# Allegro board BRD_05101_01_rev_b01_aa.brd (continued)
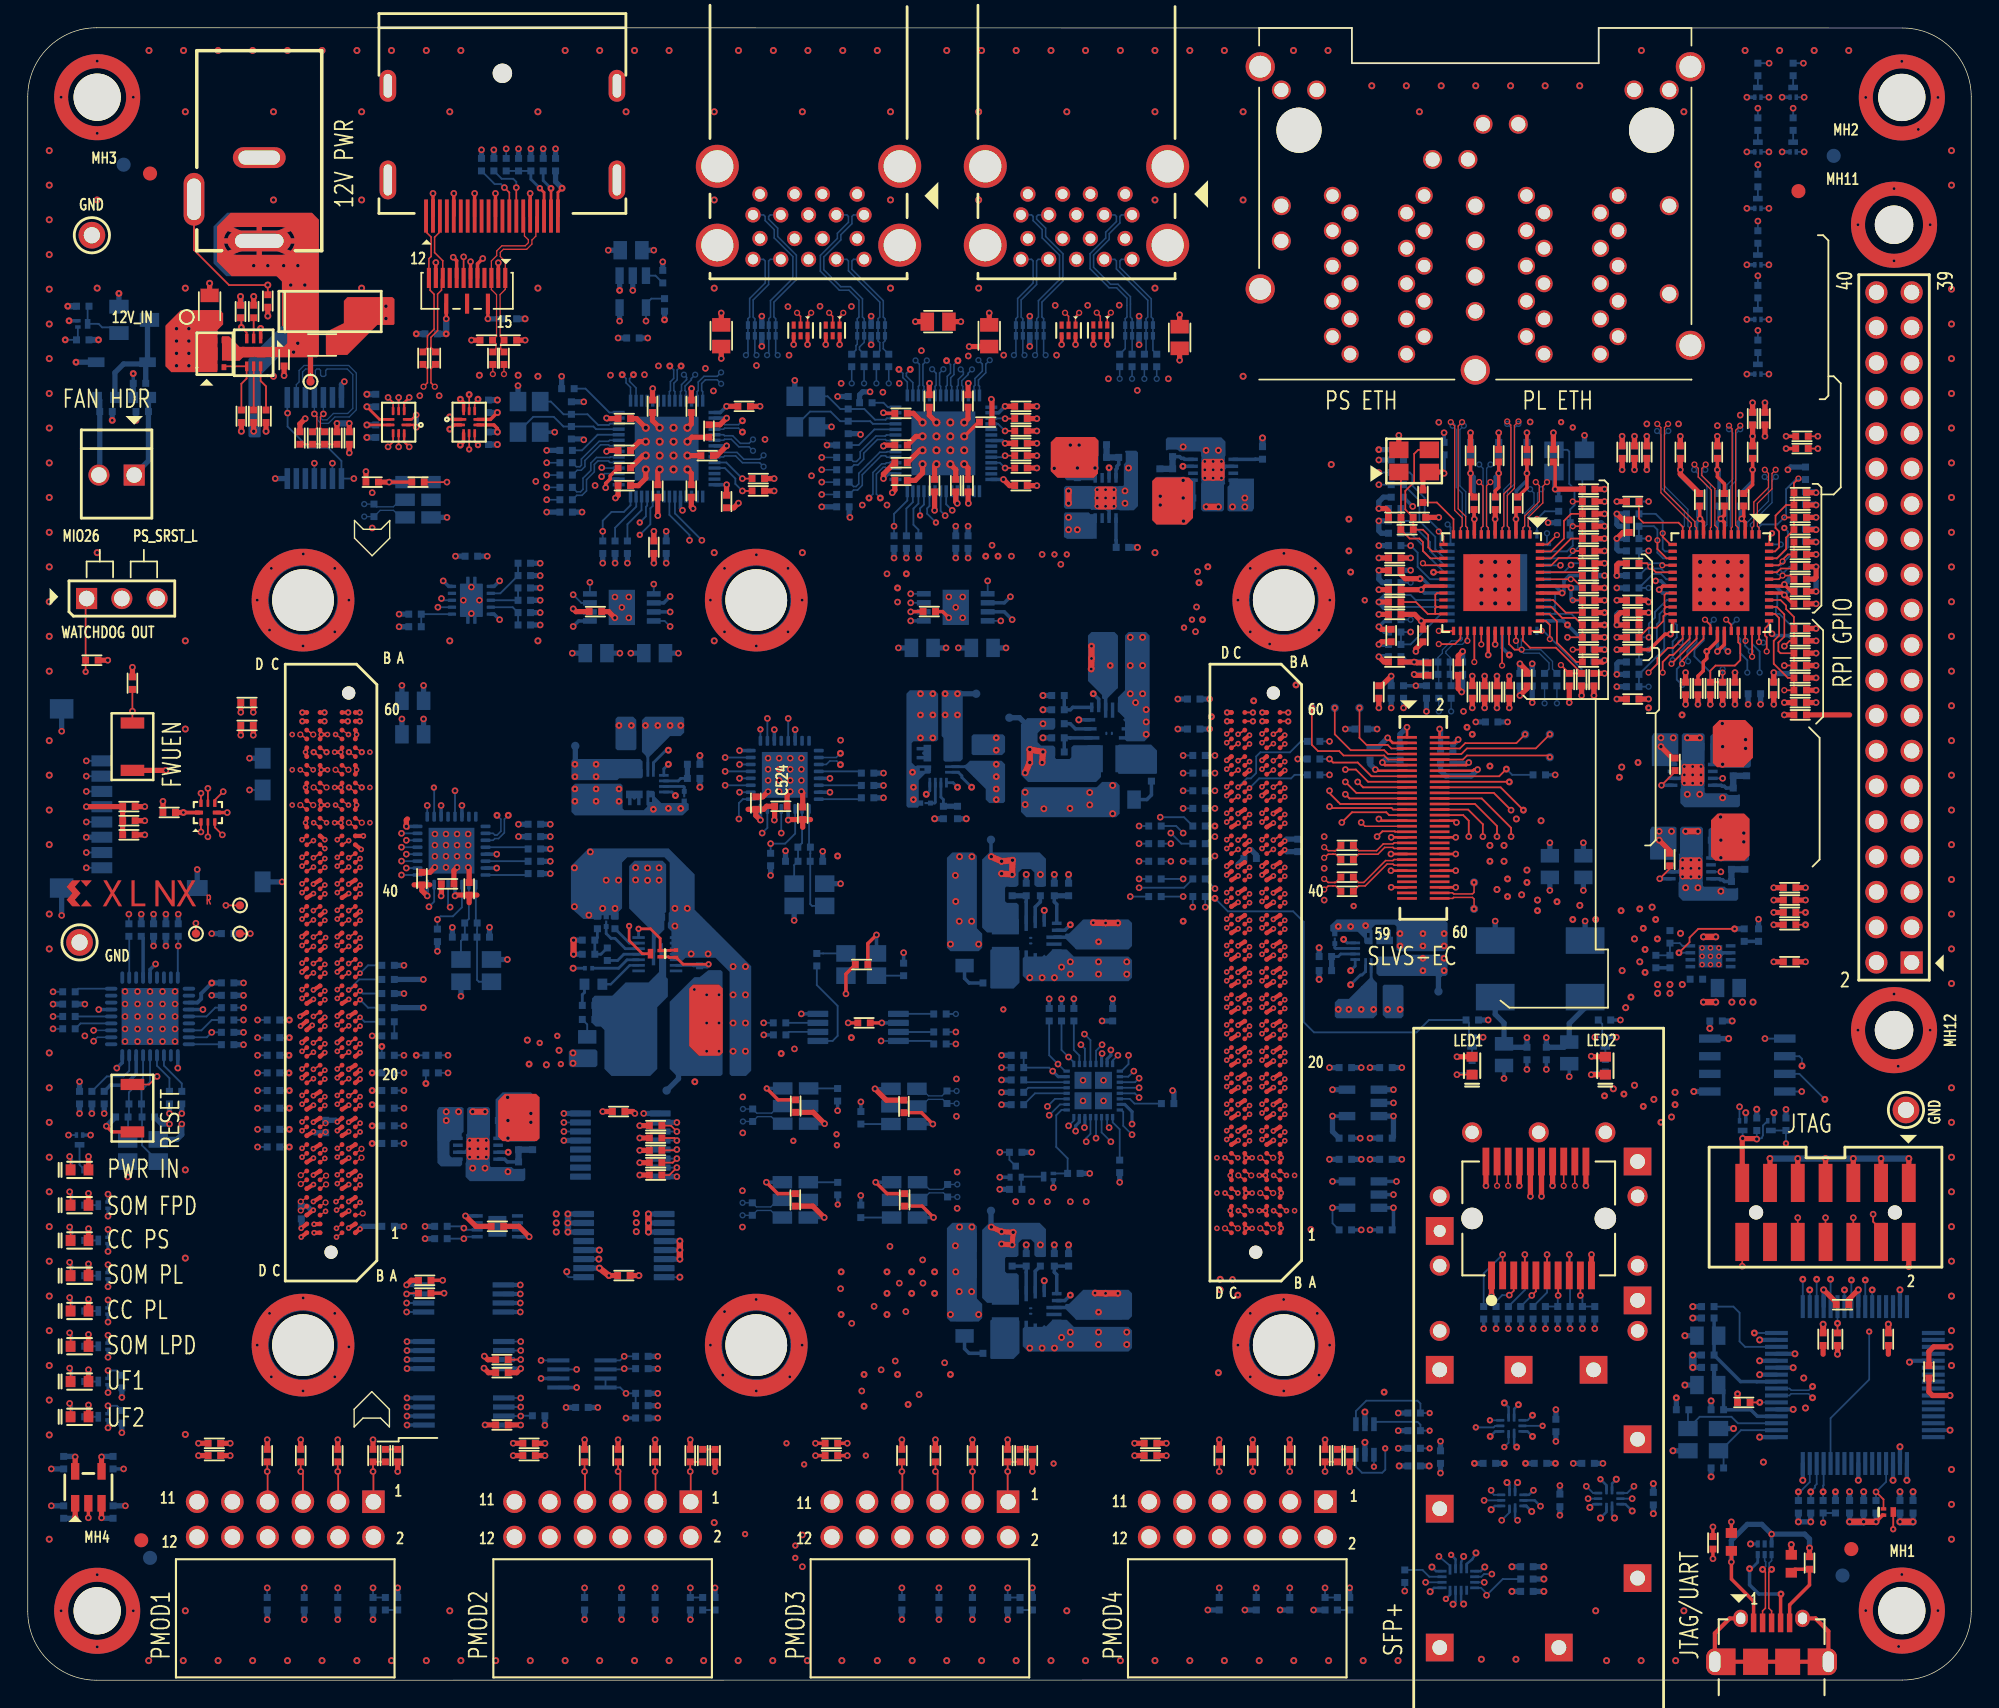
[diagram p0: board, top side]
## Nets (continued)
HDA09: JA1.A15 R305.1
HDA10: J23.8 JA1.A16 R338.1
HDA11: JA1.A17 R276.1
HDA12: JA1.D20 R278.1
HDA13: JA1.D21 R280.1
HDA14: JA1.D22 R282.1
HDA15: JA1.B20 R277.1
HDA16_CC: JA1.B21 R279.1
HDA17: JA1.B22 R281.1
HDA18: JA1.C22 R283.1
HDA19: J23.2 JA1.C23 R336.1
HDA20: JA1.C24 Q20.1 R261.1
HDB00_CC: JA2.D44 R308.1
HDB01: JA2.D45 R310.1
HDB02: JA2.D46 R312.1
HDB03: JA2.D48 R314.1
HDB04: JA2.D49 R309.1
HDB05: JA2.D50 R311.1
HDB06: JA2.C46 R313.1
HDB07: JA2.C47 R315.1
HDB08_CC: JA2.C48 R318.1
HDB09: JA2.C50 R320.1
HDB10: JA2.C51 R322.1
HDB11: JA2.C52 R324.1
HDB12: JA2.B44 R319.1
HDB13: JA2.B45 R321.1
HDB14: JA2.B46 R323.1
HDB15: JA2.B48 R325.1
HDB16_CC: J23.5 JA2.B49 R335.1
HDB17: J23.4 JA2.B50 R334.1
HDB18: J23.6 JA2.A46 R339.1
HDB19: J23.3 JA2.A47 R337.1
HDB20: J21.18 JA2.A48
HDB21: J21.22 JA2.A50
HDB22: J21.37 JA2.A51
HDB23: J21.13 JA2.A52
HDC00_CC: J21.27 JA2.D52 R330.1
HDC01: J21.28 JA2.D53 R331.1
HDC02: J21.3 JA2.D54 R326.1
HDC03: J21.5 JA2.D56 R327.1
HDC04: J21.7 JA2.D57
HDC05: J21.29 JA2.D58
HDC06: J21.31 JA2.C54
HDC07: J21.26 JA2.C55
HDC08_CC: J21.24 JA2.C56
HDC09: J21.21 JA2.C58
HDC10: J21.19 JA2.C59
HDC11: J21.23 JA2.C60
HDC12: J21.32 JA2.B52
HDC13: J21.33 JA2.B53
HDC14: J21.8 JA2.B54
HDC15: J21.10 JA2.B56
HDC16_CC: J21.36 JA2.B57
HDC17: J21.11 JA2.B58
HDC18: J21.12 JA2.A54
HDC19: J21.35 JA2.A55
HDC20: J21.38 JA2.A56
HDC21: J21.40 JA2.A58
HDC22: J21.15 JA2.A59
HDC23: J21.16 JA2.A60
HPA00_CC_P_NC: JA1.C3
HPA00_CCN: JA1.C4 U79.37
HPA01N: JA1.D8 U79.27
HPA01P: JA1.D7 U79.28
HPA02N: JA1.D5 U79.25
HPA02P: JA1.D4 U79.26
HPA03N: JA1.C7 R353.2 U79.17
HPA03P: JA1.C6 U79.16
HPA04N: JA1.B5 Q27.1 R358.2 R367.1 U79.46
HPA04P: JA1.B4 Q28.1 R359.2 R368.1 U79.47
HPA05_CCN: JA1.B2 U19.2
HPA05_CCP: JA1.B1 R357.2 R366.1 U79.45
HPA06N: JA1.A4 R362.2 R372.1 U79.33
HPA06P_CLK: JA1.A3 U79.29
HPA07N: JA1.B8 U79.35
HPA07P: JA1.B7 U79.34
HPA08N: JA1.C10 R360.2 R369.1 U79.38
HPA08P: JA1.C9 U79.36
HPA09_N_NC: JA1.D11
HPA09P_CLK: JA1.D10 U79.32
HPA10_CC_N_NC: JA1.C13
HPA10_CC_P_NC: JA1.C12
HPA11_N_NC: JA1.B11
HPA11_P_NC: JA1.B10
HPA12_N_NC: JA1.A10
HPA12_P_NC: JA1.A9
HPA13N: JA1.A13 Q26.1 R476.1
HPA13P: JA1.A12 Q25.1 R475.1
HPA14N: JA1.D14 Q23.1 R474.1
HPA14P: JA1.D13 Q22.1 R473.1
HPA_CLK0_N_NC: JA1.A7
HPA_CLK0P_CLK: JA1.A6 R477.2
HPA_CLK0P_CLK_R: R477.1 U91.3
HPB00_CC_P_NC: JA2.D15
HPB00_CCN: JA2.D16 U80.37
HPB01N: JA2.D13 U80.27
HPB01P: JA2.D12 U80.28
HPB02N: JA2.C18 U80.25
HPB02P: JA2.C17 U80.26
HPB03N: JA2.B25 R378.2 U80.17
HPB03P: JA2.B24 U80.16
HPB04N: JA2.D22 Q29.1 R383.2 R392.1 U80.46
HPB04P: JA2.D21 Q30.1 R384.2 R393.1 U80.47
HPB05_CCN: JA2.B19 U19.3
HPB05_CCP: JA2.B18 R382.2 R391.1 U80.45
HPB06N: JA2.A21 R387.2 R396.1 U80.33
HPB06P_CLK: JA2.A20 U80.29
HPB07N: JA2.B16 U80.35
HPB07P: JA2.B15 U80.34
HPB08N: JA2.A15 R385.2 R394.1 U80.38
HPB08P: JA2.A14 U80.36
HPB09_N_NC: JA2.C12
HPB09P_CLK: JA2.C11 U80.32
HPB10_CC_N_NC: JA2.B13
HPB10_CCP_CLK: J22.35 JA2.B12
HPB11N: J22.30 JA2.B22
HPB11P: J22.22 JA2.B21
HPB12N: J22.26 JA2.A18
HPB12P: J22.28 JA2.A17
HPB13N: J22.24 JA2.C21
HPB13P: J22.20 JA2.C20
HPB14N: J22.15 JA2.C15 R442.1
HPB14P: JA2.C14 U19.27
HPB15_CC_N_NC: JA2.A12
HPB15_CCP_CLK: J22.16 JA2.A11 R443.1
HPB16N: J22.23 JA2.A24
HPB16P: J22.21 JA2.A23
HPB17N: J22.19 JA2.D25
HPB17P: J22.29 JA2.D24
HPB18N: J22.17 JA2.C24
HPB18P: J22.27 JA2.C23
HPB19N: J22.18 JA2.A27
HPB19P: J22.25 JA2.A26
HPB_CLK0_N_NC: JA2.D19
HPB_CLK0P_CLK: JA2.D18 R479.2
HPB_CLK0P_CLK_R: R479.1 U91.5
HPC00_CC_N_NC: JA2.D34
HPC00_CC_P_NC: JA2.D33
HPC01_N_NC: JA2.D31
HPC01_P_NC: JA2.D30
HPC02_N_NC: JA2.D37
HPC02_P_NC: JA2.D36
HPC03_N_NC: JA2.A42
HPC03_P_NC: JA2.A41
HPC04_N_NC: JA2.D40
HPC04_P_NC: JA2.D39
HPC05_CC_N_NC: JA2.C39
HPC05_CC_P_NC: JA2.C38
HPC06_N_NC: JA2.B28
HPC06_P_NC: JA2.B27
HPC07_N_NC: JA2.B37
HPC07_P_NC: JA2.B36
HPC08_N_NC: JA2.A30
HPC08_P_NC: JA2.A29
HPC09_N_NC: JA2.D28
HPC09_P_NC: JA2.D27
HPC10_CC_N_NC: JA2.C30
HPC10_CC_P_NC: JA2.C29
HPC11_N_NC: JA2.C33
HPC11_P_NC: JA2.C32
HPC12_N_NC: JA2.C36
HPC12_P_NC: JA2.C35
HPC13_N_NC: JA2.B31
HPC13_P_NC: JA2.B30
HPC14_N_NC: JA2.A36
HPC14_P_NC: JA2.A35
HPC15_CC_N_NC: JA2.A39
HPC15_CC_P_NC: JA2.A38
HPC16_N_NC: JA2.B34
HPC16_P_NC: JA2.B33
HPC17_N_NC: JA2.C27
HPC17_P_NC: JA2.C26
HPC18_N_NC: JA2.B40
HPC18_P_NC: JA2.B39
HPC19_N_NC: JA2.A33
HPC19_P_NC: JA2.A32
HPC_CLK0_N_NC: JA2.C42
HPC_CLK0_P_NC: JA2.C41
I2C_SCK_LS: R55.2 U14.9 U15.6 U16.6 U18.14 U19.8
I2C_SDA_LS: R56.2 U14.8 U15.5 U16.5 U18.15 U19.7
JTAG_TCK_C2M: J3.6 JA1.A25 R66.2 R264.1
JTAG_TDI_C2M: J3.10 JA1.A24 U22.14
JTAG_TDO_M2C: J3.8 JA1.A23 U25.4
JTAG_TMS_C2M: J3.4 JA1.A22 U25.5
JTAG_VCCO_ON: R241.1 U22.8 U24.21
LS_OE_B: Q12.3 R233.2 U22.1 U25.2
MIO24_I2C_SCK: JA1.C26 U16.3
MIO25_I2C_SDA: JA1.C27 U16.4
MIO26: J1.1 JA1.D28 R45.2
MIO27: JA1.D29 U28.8
MIO28: JA1.D30 U30.9
MIO29: JA1.C30 U30.8
MIO30: JA1.C31 U28.9
MIO31: JA1.C32 R263.1 TP37.1(TP)
MIO32_NC: JA1.A31
MIO33_NC: JA1.A32
MIO34_NC: JA1.B38
MIO35: JA1.B28 U13.7
MIO36: JA1.B29 U64.4
MIO37: JA1.B30 U64.5
MIO38: JA1.B32 U36.29
MIO39: JA1.B33 U36.28
MIO40: JA1.B34 U36.27
MIO41: JA1.A34 U36.26
MIO42: JA1.A35 U36.25
MIO43: JA1.A36 U36.37
MIO44: JA1.D32 U36.32
MIO45: JA1.D33 U36.33
MIO46: JA1.D34 U36.34
MIO47: JA1.C34 R110.2 R122.1 U36.35
MIO48: JA1.C35 U36.36
MIO49: JA1.C36 R109.2 R121.1 U36.38
MIO50: JA1.B36 U36.16 U81.16
MIO51: JA1.B37 R403.2 U36.17 U81.17
MIO52: JA1.D36 U37.1
MIO53: JA1.D37 U37.31
MIO54: JA1.D38 U37.5
MIO55: JA1.C38 U37.2
MIO56: JA1.C39 U37.3
MIO57: JA1.C40 U37.4
MIO58: JA1.B40 U37.29
MIO59: JA1.B41 U37.6
MIO60: JA1.B42 U37.7
MIO61: JA1.A38 U37.9
MIO62: JA1.A39 U37.10
MIO63: JA1.A40 U37.13
MIO64: JA1.D40 U83.1
MIO65: JA1.D41 U83.31
MIO66: JA1.D42 U83.5
MIO67: JA1.C42 U83.2
MIO68: JA1.C43 U83.3
MIO69: JA1.C44 U83.4
MIO70: JA1.B44 U83.29
MIO71: JA1.B45 U83.6
MIO72: JA1.B46 U83.7
MIO73: JA1.A42 U83.9
MIO74: JA1.A43 U83.10
MIO75: JA1.A44 U83.13
MIO76: JA1.D44 U19.4
MIO77: JA1.D45 U19.5
MODE0_C2M: JA1.A27 R165.1
MODE1_C2M: JA1.A28 R164.1
MODE2_C2M: JA1.A29 R163.1
MODE3_C2M: JA1.A30 R162.1
MP5016_DVDT: C206.1 U41.10
MP5016_EN: R133.2 U41.9
MP5016_GATE: C234.1 Q5.3 U41.8
MP5016_ILIMIT: R135.1 U41.4
MP5016_MODE: C235.1 R134.1 U41.5
OSC_25M_CLK: R501.2 U91.1
OSC_25M_CLK_R: R501.1 U92.3
OSC_25M_OE: R500.2 U92.1
OSC_26M_OE: R494.2 U89.1
OSC_27M_OE: R498.2 U86.1
OSC_74M25_OE: R492.2 U88.1
OSC_125M_OE: R490.2 U87.1
OSC_156M25_OE: R496.2 U90.1
PC4_CON_PGND: J3.13 Q12.1 Q13.3 R234.2
PL_1V8: C383.1 C384.1 C385.1 C439.1 C440.1 C441.1 C442.1 C451.1 C452.1 C453.1 C454.1 C463.1 C464.1 C465.1 C466.1 C475.1 C476.1 C477.1 C478.1 C538.1 C539.1 C543.1 C582.1 C585.1 C586.1 C591.1 C592.1 J22.2 J22.4 JA1.D1 JA1.D2 JA2.A44 JA2.B42 JA2.C44 JA2.D42 Q33.2(SOURCE) R290.1 R353.1 R354.1 R355.1 R356.1 R357.1 R358.1 R359.1 R360.1 R362.1 R373.1 R376.1 R378.1 R379.1 R380.1 R381.1 R382.1 R383.1 R384.1 R385.1 R387.1 R397.1 R401.1 R442.2 R443.2 R446.1 R486.1 R488.1 R500.1 R507.1 TP24.1(TP) U72.7-9 U79.19 U79.30 U79.41 U80.19 U80.30 U80.41 U91.6 U92.4(VDD)
PL_1V8_FB: R290.2 R291.1 U72.10
PL_1V8_MODE: R289.2 R292.1 U72.13
PL_1V8_RAMP: C383.2 U72.11
PL_1V8_SW: C386.1 U72.4-6
PL_1V8_SW_NC: U72.16
PL_3V3: C9.1 C23.1 C29.1 C45.1 C48.1 C237.1 C430.1 C436.1 C437.1 C575.1 C576.1 C577.1 C581.1 C583.1 C584.1 C588.1 C590.1 J10.A11 J10.A14 J10.B11 J10.B14 JA1.B13 JA1.B14 JA2.B59 JA2.B60 JA2.D59 JA2.D60 L10.1 L11.1 R13.1 R166.1 R333.1 R334.2 R335.2 R336.2 R337.2 R338.2 R339.2 R341.2 R342.2 R347.1 R348.1 R471.1 R472.1 R492.1 R496.1 TP21.1(TP) U2.7-9 U8.8 U9.8 U42.5 U74.5 U75.8(VCC) U76.1 U76.8 U85.2 U85.8 U88.6(VCC) U90.6(VCC)
PL_3V3_FB: R13.2 R43.1 U2.10
PL_3V3_MODE: R12.2 R42.1 U2.13
PL_3V3_RAMP: C9.2 U2.11
PL_3V3_SW: C320.1 U2.4-6
PL_3V3_SW_NC: U2.16
PL_3V8: C18.1 C19.1 C540.1 C541.1 C542.1 J22.1 J22.3 R18.1 TP19.1(TP) U4.5-6 U4.12
PL_3V8_FB: R18.2 R20.1 U4.10
PL_ETH_1V0: C27.1 C28.1 C447.1 C448.1 C449.1 C450.1 C457.1 C458.1 C459.1 C460.1 C461.1 C462.1 C471.1 C472.1 C473.1 C474.1 C481.1 C482.1 C483.1 C484.1 C485.1 C486.1 R27.1 TP23.1(TP) U8.1 U79.6 U79.24 U79.31 U79.42 U80.6 U80.24 U80.31 U80.42
PL_ETH_1V0_EN: R471.2 U8.5
PL_ETH_1V0_FB: C27.2 R27.2 R29.1 U8.4
PL_ETH_2V5: C21.1 C22.1 C443.1 C444.1 C445.1 C446.1 C455.1 C456.1 C467.1 C468.1 C469.1 C470.1 C479.1 C480.1 R24.1 TP40.1(TP) U9.1 U79.3 U79.9 U80.3 U80.9
PL_ETH_2V5_EN: R472.2 U9.5
PL_ETH_2V5_FB: C21.2 R23.1 R24.2 U9.4
PL_FRAMOS_OD_RESET_B: Q34.1 R486.2 U19.17
PL_FRAMOS_RESET_B: J22.33 Q33.3 R489.1
PL_GEM2_RESET_B: R376.2 U19.12 U79.43
PL_GEM3_RESET_B: R401.2 U19.13 U80.43
PL_RESET_OUT4_B_NC: U19.16
PMOD1_IO1_HDA11: C372.1 J2.1 R274.2 R276.2
PMOD1_IO2_HDA12: C374.1 J2.3 R278.2
PMOD1_IO3_HDA13: C377.1 J2.5 R280.2
PMOD1_IO4_HDA14: C379.1 J2.7 R282.2
PMOD1_IO5_HDA15: C373.1 J2.2 R275.2 R277.2
PMOD1_IO6_HDA16_CC: C375.1 J2.4 R279.2
PMOD1_IO7_HDA17: C378.1 J2.6 R281.2
PMOD1_IO8_HDA18: C380.1 J2.8 R283.2
PMOD2_IO1_HDA02: C390.1 J18.1 R296.2 R298.2
PMOD2_IO2_HDA03: C392.1 J18.3 R300.2
PMOD2_IO3_HDA04: C394.1 J18.5 R302.2
PMOD2_IO4_HDA05: C398.1 J18.7 R304.2
PMOD2_IO5_HDA06: C391.1 J18.2 R297.2 R299.2
PMOD2_IO6_HDA07: C393.1 J18.4 R301.2
PMOD2_IO7_HDA08_CC: C395.1 J18.6 R303.2
PMOD2_IO8_HDA09: C399.1 J18.8 R305.2
PMOD3_IO1_HDB00_CC: C402.1 J19.1 R306.2 R308.2
PMOD3_IO2_HDB01: C406.1 J19.3 R310.2
PMOD3_IO3_HDB02: C408.1 J19.5 R312.2
PMOD3_IO4_HDB03: C410.1 J19.7 R314.2
PMOD3_IO5_HDB04: C403.1 J19.2 R307.2 R309.2
PMOD3_IO6_HDB05: C407.1 J19.4 R311.2
PMOD3_IO7_HDB06: C409.1 J19.6 R313.2
PMOD3_IO8_HDB07: C411.1 J19.8 R315.2
PMOD4_IO1_HDB08_CC: C414.1 J20.1 R316.2 R318.2
PMOD4_IO2_HDB09: C418.1 J20.3 R320.2
PMOD4_IO3_HDB10: C420.1 J20.5 R322.2
PMOD4_IO4_HDB11: C422.1 J20.7 R324.2
PMOD4_IO5_HDB12: C415.1 J20.2 R317.2 R319.2
PMOD4_IO6_HDB13: C419.1 J20.4 R321.2
PMOD4_IO7_HDB14: C421.1 J20.6 R323.2
PMOD4_IO8_HDB15: C423.1 J20.8 R325.2
PMOD_3V3: C238.1 C376.1 C387.1 C396.1 C397.1 C404.1 C405.1 C416.1 C417.1 J2.11 J2.12 J18.11 J18.12 J19.11 J19.12 J20.11 J20.12 U42.1(OUT)
PMOD_PWR_EN: R167.1 U42.4
PMOD_PWR_FLT_B: R166.2 U42.3
PS_1V2: C24.1 C25.1 C283.1 C284.1 C285.1 C286.1 C289.1 C290.1 C291.1 C292.1 C295.1 C296.1 C513.1 C514.1 C515.1 C516.1 C517.1 C518.1 C519.1 C520.1 C521.1 C522.1 R21.1 TP9.1(TP) U5.5-6 U5.12 U43.5 U43.12 U43.15 U43.21 U43.28 U43.33 U43.43 U43.49 U84.5 U84.12 U84.15 U84.21 U84.28 U84.33 U84.43 U84.49
PS_1V2_FB: R21.2 R26.1 U5.10
PS_1V8: C7.1 C8.1 C50.1 C81.1 C91.1 C92.1 C108.1 C114.1 C144.1 C145.1 C146.1 C147.1 C156.1 C157.1 C158.1 C159.1 C275.1 C276.1 C277.1 C329.1 C487.1 C488.1 C489.1 C490.1 C499.1 C500.1 C501.1 C502.1 C523.1 C524.1 C525.1 J3.2 R14.1 R45.1 R46.1 R47.1 R48.1 R49.1 R102.1 R104.1 R105.1 R106.1 R107.1 R108.1 R109.1 R110.1 R113.1 R125.1 R210.1 R403.1 R404.1 R405.1 R406.1 R407.1 R408.1 R409.1 R410.1 R411.1 R412.1 R414.1 R426.1 R431.1 R447.1 R448.1 R449.1 R450.1 R451.1 TP15.1(TP) U3.5-6 U3.12 U13.1 U13.10 U16.2 U22.2(VCCB) U22.12 U22.13 U25.6(VCCB) U28.7 U28.10 U30.7 U30.10 U36.19 U36.30 U36.41 U37.8 U37.11 U37.14 U37.28 U37.30 U37.32 U64.6(VCCB) U81.19 U81.30 U81.41 U83.8 U83.11 U83.14 U83.28 U83.30 U83.32
PS_1V8_FB: R14.2 R16.1 U3.10
PS_3V3: C1.1 C2.1 C5.1 C15.1 C17.1 C53.1 C64.1 C74.1 C109.1 C110.1 C115.1 C176.1 C265.1 C269.1 C270.1 C297.1 C298.1 C299.1 C300.1 C303.1 C304.1 C526.1 C527.1 C528.1 C529.1 C530.1 C531.1 C559.1 C560.1 C561.1 C574.1 C578.1 C587.1 C589.1 J10.C11 J10.C14 J10.D11 J10.D14 R1.1 R54.1 R55.1 R56.1 R57.1 R58.1 R61.1 R62.1 R63.1 R130.1 R170.1 R195.1 R196.1 R205.1 R218.1 R220.2 R243.1 R244.1 R256.2 R429.1 R435.1 R463.1 R464.1 R468.2 R469.2 R481.2 R482.2 R483.2 R484.2 R490.1 R494.1 R498.1 TP11.1(TP) U1.7-9 U10.8 U12.8 U15.1 U15.8 U18.13 U18.16(VCC) U28.6(VCCB) U29.14(VCC) U30.6(VCCB) U33.5 U38.6 U38.14 U38.22 U38.36 U43.16 U43.31 U43.37 U43.44 U43.55 U61.13 U61.15(VCC#15) U84.16 U84.31 U84.37 U84.44 U84.55 U86.6(VCC) U87.6(VCC) U89.6(VCC)
PS_3V3_FB: R1.2 R2.1 U1.10
PS_3V3_MODE: R4.2 R5.1 U1.13
PS_3V3_RAMP: C5.2 U1.11
PS_3V3_SW: C321.1 U1.4-6
PS_3V3_SW_NC: U1.16
PS_ERROR_OUT_M2C: JA1.B24 TP38.1(TP)
PS_ERROR_STATUS_M2C: JA1.B25 TP39.1(TP)
PS_ETH_1V0: C14.1 C16.1 C152.1 C153.1 C154.1 C155.1 C162.1 C163.1 C164.1 C165.1 C166.1 C167.1 C495.1 C496.1 C497.1 C498.1 C504.1 C505.1 C506.1 C507.1 C508.1 C510.1 R6.1 TP17.1(TP) U12.1 U36.6 U36.24 U36.31 U36.42 U81.6 U81.24 U81.31 U81.42
PS_ETH_1V0_EN: R243.2 U12.5
PS_ETH_1V0_FB: C14.2 R6.2 R17.1 U12.4
PS_ETH_2V5: C12.1 C13.1 C148.1 C149.1 C150.1 C151.1 C160.1 C161.1 C491.1 C492.1 C493.1 C494.1 C503.1 C509.1 R10.1 TP13.1(TP) U10.1 U36.3 U36.9 U81.3 U81.9
PS_ETH_2V5_EN: R244.2 U10.5
PS_ETH_2V5_FB: C13.2 R10.2 R15.1 U10.4
PS_GEM0_RESET_B: R426.2 U19.10 U81.43
PS_GEM1_RESET_B: R125.2 U19.29 U36.43
PS_POR_B: JA1.C15 U19.11 U23.6
PS_SRST_C2M_B: J1.3(P3) J3.14 JA1.C16 U23.4(Y2)
PWRGD_FPD_M2C: JA1.D24 Q7.1
PWRGD_LPD_M2C: JA1.D25 Q17.1
PWRGD_PL_M2C: JA1.D26 Q9.1
PWROFF_C2M_B: C207.1 J12.3(PLUG DET) JA1.B26 Q6.1 Q21.3 U7.3(PG)
RPI_3V3: C424.1 C425.1 C431.1 J21.1 J21.17 R326.2 R327.2 R330.2 R331.2 U74.1(OUT)
RPI_3V3_EN: R332.1 U74.4
RPI_3V3_PWR_FLT_B: R333.2 U74.3
RPI_5V0: C426.1 C427.1 C429.1 J21.2 J21.4 U73.1(OUT)
RPI_5V0_EN: R328.1 U73.4
RPI_5V_PWR_FLT_B: R329.2 U73.3
SD_CTRLR_RESET_B: R429.2 U19.18 U38.18
SDIO_CD_B: J11.13 R130.2 U38.26
SDIO_CLK: R249.1 U38.9
SDIO_CLK_R: J11.5 R249.2 U82.7
SDIO_CMD: R248.1 U38.11
SDIO_CMD_R: J11.3 R248.2 U82.6
SDIO_DATA0: R250.1 U38.5
SDIO_DATA0_R: J11.7 R250.2 U82.1
SDIO_DATA1: R251.1 U38.4
SDIO_DATA1_R: J11.8 R251.2 U82.2
SDIO_DATA2: R252.1 U38.25
SDIO_DATA2_R: J11.1 R252.2 U82.3
SDIO_DATA3: R253.1 U38.23
SDIO_DATA3_R: J11.2 R253.2 U82.5
SDIO_SCK: R464.2 U38.31
SDIO_SDA: R463.2 U38.27
SDIO_VDD: C369.1 C557.1 C558.1 C565.1 J11.4 R462.1 U38.21 U82.8(VCC)
SDIO_VDD18: C175.1 U38.13
SDIO_VDD18PLL: C562.1 U38.34
SDIO_WP: R465.1 U38.30
SDIO_XTAL1: C563.1 R466.1 U38.33 X11.3(X3)
SDIO_XTAL2: C564.1 R466.2 U38.32(XTAL2) X11.1
SFP_RS0: J23.7 R341.1 R343.2
SFP_RS1: J23.9 R342.1 R344.2
SOM240_1_C45_NC: JA1.C45
SOM240_1_D46_NC: JA1.D46
SOM_5V0: C323.1 C324.1 C353.1 C354.1 JA1.A59 JA1.A60 JA1.B60 JA1.C59 JA1.C60 JA1.D60 U14.14 U14.15 U14.16
SOM_DP_AUX_IN_LS: U28.4 U29.4
SOM_DP_AUX_OUT_LS: U28.5 U29.2
SOM_DP_HPD_LS: R352.1 U30.4
SOM_DP_OE_LS: U29.1 U29.8 U30.5
USB0_ATEST: R222.1 U43.52
USB0_CFG_BC_EN: R219.1 U43.40
USB0_CFG_NON_REM: R220.1 U43.41
USB0_D1_N: U38.3 U43.2
USB0_D1_P: U38.2 U43.1
USB0_D2_N: U43.9 U44.11 X6.1
USB0_D2_P: U43.8 U44.12 X6.2
USB0_D3_N: U43.18 U44.2 X5.1
USB0_D3_P: U43.17 U44.3 X5.2
USB0_HUB_I2C_SCK: R57.2 U18.5 U43.38
USB0_HUB_I2C_SDA: R62.2 U18.4 U43.39
USB0_HUB_RESET_B: R218.2 U19.1 U43.42
USB0_PHY_RESET_B: R210.2 U19.28 U37.27
USB0_PRT_CTL1_NC: U43.36
USB0_PRT_CTL2: U43.35 U45.3 U45.8
USB0_PRT_CTL3: U43.34 U45.4 U45.5
USB0_RBIAS: R221.1 U43.56
USB0_SSRX2_N: U43.14 U44.14 U66.1 U66.10(NC4)
USB0_SSRX2_P: U43.13 U44.15 U66.2 U66.9
USB0_SSRX3_N: U43.23 U44.5 U66.4 U66.7
USB0_SSRX3_P: U43.22 U44.6 U66.5 U66.6
USB0_SSTX2_C_N: C280.1 U44.17 U67.4 U67.7
USB0_SSTX2_C_P: C282.1 U44.18 U67.5 U67.6
USB0_SSTX2_N: C280.2 U43.11
USB0_SSTX2_P: C282.2 U43.10
USB0_SSTX3_C_N: C279.2 U44.8 U67.1 U67.10(NC4)
USB0_SSTX3_C_P: C281.2 U44.9 U67.2 U67.9
USB0_SSTX3_N: C279.1 U43.20
USB0_SSTX3_P: C281.1 U43.19
USB0_USB3320_D_N: U37.19 U43.46
USB0_USB3320_D_P: U37.18 U43.45
USB0_VBUS2: C274.1 U44.10(U_VBUS) U45.7 X6.6(VBUS)
USB0_VBUS3: C272.1 U44.1 U45.6(OUT2) X5.6(VBUS)
USB1_ATEST: R441.1 U84.52
USB1_CFG_BC_EN: R438.1 U84.40
USB1_CFG_NON_REM: R439.1 U84.41
USB1_D1_N: U46.11 U84.2 X8.1
USB1_D1_P: U46.12 U84.1 X8.2
USB1_D2_N: U46.2 U84.9 X7.1
USB1_D2_P: U46.3 U84.8 X7.2
USB1_HUB_I2C_SCK: R58.2 U18.7 U84.38
USB1_HUB_I2C_SDA: R63.2 U18.6 U84.39
USB1_HUB_RESET_B: R435.2 U19.32 U84.42
USB1_PHY_RESET_B: R431.2 U19.19 U83.27
USB1_PRT_CTL1: U47.3 U47.8 U84.36
USB1_PRT_CTL2: U47.4 U47.5 U84.35
USB1_RBIAS: R440.1 U84.56
USB1_SSRX1_N: U46.14 U69.1 U69.10(NC4) U84.7
USB1_SSRX1_P: U46.15 U69.2 U69.9 U84.6
USB1_SSRX2_N: U46.5 U69.4 U69.7 U84.14
USB1_SSRX2_P: U46.6 U69.5 U69.6 U84.13
USB1_SSTX1_C_N: C302.1 U46.17 U68.4 U68.7
USB1_SSTX1_C_P: C306.1 U46.18 U68.5 U68.6
USB1_SSTX1_N: C302.2 U84.4
USB1_SSTX1_P: C306.2 U84.3
USB1_SSTX2_C_N: C301.2 U46.8 U68.1 U68.10(NC4)
USB1_SSTX2_C_P: C305.2 U46.9 U68.2 U68.9
USB1_SSTX2_N: C301.1 U84.11
USB1_SSTX2_P: C305.1 U84.10
USB1_USB3320_D_N: U83.19 U84.46
USB1_USB3320_D_P: U83.18 U84.45
USB1_VBUS1: C294.1 U46.10(U_VBUS) U47.7 X8.6(VBUS)
USB1_VBUS2: C293.1 U46.1 U47.6(OUT2) X7.6(VBUS)
USB_JTAG_DM_N: J4.2 U24.7 X1.2
USB_JTAG_DM_P: J4.3 U24.8 X1.1
USB_JTAG_FLTR: C78.1 C87.1 C89.1 L4.1 R40.1 U11.5 U11.8
USB_JTAG_VBUS: C88.1 J4.1(VBUS) L4.2 X1.6(VBUS)
USB_JTAG_VCORE: C95.1 C96.1 C97.1 C98.1 U24.12 U24.37 U24.49(VREGOUT) U24.64
USB_JTAG_VPHY: C82.1 C83.1 L2.2 U24.4
USB_JTAG_VPLL: C84.1 C85.1 L3.2 U24.9
USB_PWRD_VCCIO: C44.1 C79.1 C80.1 C86.1 C90.1 C93.1 C94.1 C99.1 C100.1 C101.1 C102.1 C105.1 C355.1 C356.1 L2.1 L3.1 R36.1 R74.1 R75.1 R76.1 R77.1 R233.1 R234.1 R235.1 R266.1 R267.1 R268.1 U11.1 U22.3 U22.4 U23.5 U24.20 U24.31 U24.42 U24.50 U24.56 U25.7 U25.10 U26.8 U64.7 U64.10 U71.1 U71.6(VCCB) U71.7 U71.10
UTIL_3V3: C41.1 C42.1 C49.1 DS1.2 DS2.2 DS3.2 DS4.2 DS5.2 DS6.2 DS7.2 DS8.2 DS9.2 DS10.2 R39.1 R260.1 TP7.1(TP) U7.1 U14.10(VS)
WATCHDOG_CRST: C52.1 R49.2 U13.4
WATCHDOG_CWD: C51.1 R48.2 U13.2
WATCHDOG_SET0: R47.2 R51.1 U13.3
WATCHDOG_SET1: R46.2 R50.1 U13.6
WATCHDOG_WDO_B: J1.2 U13.8(WDO_B)
N1061928: R66.1 U22.15
N1062590: J4.4 X1.3
N1063364: C88.2 J4.5 L5.2
N1063872: R75.2 U24.14
N1063914: R74.2 R78.1 U26.4
N1063918: R76.2 U24.62 U26.2
N1063922: R77.2 U24.63 U26.1
N1064088: R78.2 U24.61 U26.3
N1064220: C103.1 U24.2 X2.1
N1064316: C104.1 U24.3 X2.3(X3)
N1064420: R79.2 U24.6
N1366089: C208.2 D2.2 L9.2 Q18.3
N1592727: R170.2 R171.1 R172.1 R173.1
N1690498: Q6.3 R157.1
N1690502: DS1.1 R157.2
N1690608: Q7.3 R158.1
N1690612: DS2.1 R158.2
N1690718: Q8.3 R159.1
N1690722: DS3.1 R159.2
N1690828: Q9.3 R160.1
N1690832: DS4.1 R160.2
N1690938: Q10.3 R161.1
N1690942: DS5.1 R161.2
N1766802: R33.1 U6.2
N1766806: C37.1 R33.2
N1766990: Q21.2(SOURCE) R265.2 U6.7
N1767106: C39.2 R30.2 R31.1 R32.2
N1767370: C319.2 R223.1
N1784249: C321.2 R225.1
N2198627: Q17.3 R254.1
N2198631: DS6.1 R254.2
N2390901: Q18.1 Q20.3 R260.2
N2549814: C344.1 R264.2
N3370406: C320.2 R224.1
N3379104: C386.2 R293.1
N3431689: C370.1 R274.1
N3431725: C371.1 R275.1
N3433845: J6.19 R200.1
N3434397: J6.13 R203.1
N3434417: J6.14 R202.1
N3438297: C388.1 R296.1
N3438309: C389.1 R297.1
N3441577: C400.1 R306.1
N3441589: C401.1 R307.1
N3442529: C412.1 R316.1
N3442541: C413.1 R317.1
N3463703: C73.1 R54.2 U16.7(VREF2) U16.8
N3465992: R61.2 U18.3
N3548094: R428.1 U38.35
N3631918: Q22.3 R294.1
N3631922: DS7.1 R294.2
N3632030: Q23.3 R295.1
N3632034: DS8.1 R295.2
N3638229: R349.1 U76.7(WC_B)
N3638972: Q25.3 R345.1
N3638976: DS9.1 R345.2
N3639084: Q26.3 R346.1
N3639088: DS10.1 R346.2
N3854583: R451.2 U19.6
N3854590: R450.2 U19.9
N3854613: R449.2 U19.20
N3854620: R448.2 U19.21
N3854627: R447.2 U19.22
N3854951: R446.2 U19.26
N3917930: Q27.3 R363.1
N3917978: Q28.3 R371.1
N3921502: Q29.3 R388.1
N3921550: Q30.3 R400.1
N3924610: Q31.3 R413.1
N3924658: Q32.3 R425.1
N3928736: Q3.3 R124.1
N3928738: Q4.3 R127.1
N3957555: R213.1 U37.24
N3957585: R209.2 U37.22
N3957595: C278.2 U37.20
N3957977: C568.1 U43.54 X13.1
N3957979: C569.1 U43.53(XTALO) X13.3(X2)
N3958007: R468.1 U43.24
N3958011: R469.1 U43.25
N3958031: C566.1 R467.1 U37.26 X12.3(X3)
N3958033: C567.1 R467.2 U37.25(XO) X12.1
N3960985: R430.2 U83.22
N3961045: C533.2 U83.20
N3961137: C570.1 R470.1 U83.26 X14.3(X3)
N3961171: R432.1 U83.24
N3961219: C572.1 U84.54 X15.1
N3961321: C573.1 U84.53(XTALO) X15.3(X2)
N3961343: C571.1 R470.2 U83.25(XO) X14.1
N3964179: R482.1 U84.18
N3964187: R481.1 U84.17
N3964408: R484.1 U84.25
N3964416: R483.1 U84.24
N4252518: J22.5 TP41.1(TP)
N4252522: J22.7 TP43.1(TP)
N4252526: J22.9 TP45.1(TP)
N4252662: J22.6 TP42.1(TP)
N4252666: J22.8 TP44.1(TP)
N4252670: J22.10 TP46.1(TP)
N4424560: Q33.1 Q34.3 R488.2
N4546556: R487.1 U85.7(WC_B)
N4939590: R507.2 U91.2

Pads without a net: J3 12; J6 4 6 7 9 10 12; J10 A9 B9 C9 D9; J22 34 36 40 42 46 48 51 52 53 54 57 59; U1 19 20; U2 19 20; U3 3-4; U4 3-4; U5 3-4; U6 1 15; U7 2 7; U8 2 7; U9 2 7; U10 2 7; U11 2 7; U12 2 7; U13 9; U14 7 13; U18 9 10 11 12; U22 9; U24 28 29 30 32 33 34 36 38 39 40 41 43 44 45 46 48 53 54 55 57 58 59; U26 6 7; U29 3 5 6 13; U36 18 21; U37 12 15 16 17; U38 1 7 8 10 12 15 16 17 19 20 24 29; U43 3 4 6 7 26 27 29 30 32; U61 4 9 14; U72 19 20; U75 1 2 3 7; U79 14 18 21; U80 14 18 21; U81 18 21 29 32 37; U83 12 15 16 17; U84 19 20 22 23 26 27 29 30 32 34; U86 2; U87 2; U88 2; U89 2; U90 2; X1 5; X5 3 5; X6 3 5; X7 3 5; X8 3 5

## Via types
v1: diameter 0.406, hole 0.18, TOP to BOTTOM, 380 vias
v2: diameter 0.5, hole 0.203, TOP to BOTTOM, 270 vias
v3: diameter 0.457, hole 0.254, TOP to L03_SIG, 108 vias
v4: diameter 0.457, hole 0.254, L12_SIG to BOTTOM, 84 vias
v5: diameter 0.483, hole 0.249, TOP to BOTTOM, 1183 vias
v6: diameter 0.457, hole 0.203, TOP to BOTTOM, 157 vias
v7: diameter 0.508, hole 0.249, TOP to BOTTOM, 580 vias
v8: diameter 0.406, hole 0.203, TOP to BOTTOM, 100 vias
v9: diameter 0.6, hole 0.305, TOP to BOTTOM, 60 vias

## Routing (per net, layer and track width the routed paths; a pad name or vN(x,y) marks a point on that pad's centre or on a via; arc(x,y) is an arc through that point)
5V0_IN: length 52.6
  TOP w0.254: C318.1 63.62,76.96 v5(63.6,76.94)
  TOP w0.381: v5(39.29,77.15) 39.49,76.95 C317.1
  TOP w0.457: v2(78.53,27.86) v2(77.64,27.86) v2(76.88,27.88) ; v2(78.53,54.53) v2(77.64,54.53) v2(76.76,54.55) ; v7(44.71,32.28) v7(44.71,32.93) v7(44.71,33.58) ; v2(76.63,74.47) v2(76.63,73.58) v2(76.61,72.82) ; v7(39.32,53.3) v7(39.32,52.28)
  BOTTOM w0.203: C6.1 44.62,67.47 44.62,66.81 44.67,66.76 U3.7 ; C20.1 96.82,49.59 96.82,50.25 96.77,50.3 U4.7 ; U5.7 67.78,65.79
  BOTTOM w0.229: v5(78.02,45.39) 78.02,45 77.75,44.73 U19.31 ; v5(75.48,39.54) 75.48,39.92 75.75,40.19 U19.15
  BOTTOM w0.254: U72.15 75.76,53.51 C381.1 ; v5(39.29,77.15) 39.51,76.93 U45.2 ; C10.1 75.76,26.84 U2.15 ; R329.1 v5(96.69,32.43) ; U73.5 v5(93.99,35.92) ; U1.15 77.65,71.17 77.89,71.41 77.89,71.93 ; U37.21 v5(33.78,59.49) ; U83.21 v5(57.79,64.95) ; R7.1 v5(73.58,49.07) ; C35.1 49.53,44.28 ; R28.1 v5(74.47,49.07) ; U47.2 v5(63.6,76.94)
  BOTTOM w0.381: R209.1 v5(37.64,58.97) ; L1.2 46.88,43.32 TP5.1 ; U14.1 v7(44.71,33.58) ; R430.1 v5(61.64,64.44) ; R12.1 v7(74.98,31.35) ; C75.1 v5(77.39,47.48) ; U14.12 v7(41.17,30.98) ; C311.1 v5(42.66,73.96) ; U14.3 v7(44.71,32.28) ; C428.1 v5(93.77,37.51) ; R30.1 v7(39.32,53.3) ; R289.1 v7(74.98,58.02) ; U14.2 v7(44.71,32.93) ; C314.1 v5(67.04,74.34) ; R4.1 v7(73.13,70.91) ; C273.1 v5(35.35,60.75) ; C312.1 v5(43.44,73.96) ; C313.1 v5(66.15,74.34) ; C532.1 v5(35.35,61.64) ; C39.1 v7(39.32,52.28)
  BOTTOM w0.457: v7(44.71,32.28) v7(44.71,32.93) v7(44.71,33.58)
  vias: v2(44.5,68.75) v2(45.39,68.75) v2(46.27,68.75) v2(47.04,68.75) v2(48.02,49.74) v2(48.91,49.36) v2(48.91,47.33) v2(48.91,45.3) v2(49.8,49.36) v2(49.8,47.33) v2(49.8,45.3) v2(69.77,65.96) v2(69.77,65.07) v2(69.77,64.18) v2(69.77,63.42) v2(77.14,53.18) v2(77.14,26.51) v2(77.98,73.07) v2(94.41,48.31) v2(95.17,48.31) v2(96.06,48.31) v2(96.95,48.31) v7(30.15,40.94) v7(30.15,40.31) v7(31.03,40.94) v7(43.84,33.6) v7(43.84,32.95) v7(43.84,32.3)
5V0_IN_EN: length 3.6
  BOTTOM w0.203: U6.3 43.17,51.88 42.57,51.27 R34.2
5V0_IN_FB: length 2.4
  BOTTOM w0.203: R32.1 42.49,51.83 42.94,52.28 U6.4
5V0_IN_SS: length 2.1
  BOTTOM w0.203: C40.1 42.3,54.12 43.34,53.08 U6.6
5V0_IN_VCC: length 6.1
  TOP w0.203: Q21.1 46.16,52.09 46.21,52.05 R265.1 46.72,52.05 47.21,51.56 v6(49.04,51.56)
  BOTTOM w0.203: C38.1 47.95,51.45 47.92,51.48 U6.14
  BOTTOM w0.381: v6(49.04,51.56) 48.94,51.45 C38.1
12V_FAN_GND: length 5.7
  BOTTOM w0.381: 5.13,86.79 5.18,86.85 C209.1 5.18,92.18 L9.1
12V_FAN_PWR: length 6.1
  BOTTOM w0.381: J13.1 8.69,87.81 C210.1 8.69,92.18 L8.1
12V_IN: length 5.7
  TOP w0.254: TP3.1 C203.1
  BOTTOM w0.203: R34.1 v7(39.29,51.27)
  BOTTOM w0.254: C208.1 v2(7.6,94.1)
  BOTTOM w0.381: L8.2 C208.1 ; D2.1 v2(3.48,94.92)
  vias: v7(10.71,97.33) v7(10.71,96.44) v7(10.71,95.55) v7(10.71,94.66) v7(11.6,97.33) v7(11.6,96.44) v7(11.6,95.55) v7(11.6,94.66) v7(43.79,58.52) v7(43.79,57.63) v7(44.65,58.49) v7(44.65,57.6) v7(45.48,58.5) v7(45.48,57.61)
12V_IN_JACK: length 40.5
  TOP w0.132: 19.79,100.3 19.83,100.34
  TOP w0.381: TP1.1 20.37,95.56 20.43,95.62 C204.1 ; 14.07,104.7 J12.1 ; J12.1 19.28,103.65 ; J12.1 16.68,104.7 ; J12.1 16.68,102.59 ; J12.1 14.07,102.59 ; J12.1 19.28,104.7 ; J12.1 14.07,103.65 ; J12.1 19.28,102.59 ; R133.1 v7(16.28,89.94)
  BOTTOM w0.381: 14.07,103.65 J12.1 ; J12.1 14.07,102.59 ; J12.1 19.28,102.59 ; J12.1 14.07,104.7 ; J12.1 16.68,104.7 ; J12.1 19.28,103.65 ; J12.1 19.28,104.7 ; J12.1 16.68,102.59
  vias: v7(16.28,101.87) v7(17.29,101.87) v7(18.43,101.87) v7(18.94,100.47) v7(19.15,95.64) v7(19.45,101.87) v7(19.45,96.28) v7(19.96,100.47)
AGND1: length 3.4
  BOTTOM w0.203: U6.5 43.05,52.68 42.3,53.42 42.02,53.42 41.67,53.77 Z1.2
AGND2: length 1.9
  BOTTOM w0.203: Z4.2 47.29,64.31 47.24,64.36 U3.11
AGND3: length 1.9
  BOTTOM w0.203: U5.11 65.38,63.22 65.32,63.17 Z5.2
AGND4: length 1.9
  BOTTOM w0.203: U4.11 94.21,52.7 94.15,52.75 Z2.2
GND: length 2849.8
  TOP w0.132: JA1.D43 v1(19.76,58.62) ; JA1.B43 v1(22.3,58.62)
  TOP w0.178: U30.2 27.67,90.8 v5(27.98,91.12) ; U30.3 27.12,92.01 v5(27.48,92.38) ; U30.1 27.81,90.4 v5(27.98,90.23)
  TOP w0.191: v5(97.07,65.58) 97.15,65.5 J22.13 ; J22.14 104.11,65.5 104.19,65.58 v5(104.44,65.58) ; v5(97.33,62.02) 97.45,61.9 J22.31 ; J22.12 103.62,65.9 v5(103.81,66.09) ; J22.11 97.77,65.9 v5(97.58,66.09) ; v5(98.22,60.7) J22.37 ; J22.44 v5(102.87,59.5) ; J22.49 v5(98.2,58.3) ; J22.38 v5(102.87,60.7) ; J22.55 v5(98.22,57.1) ; J22.43 v5(98.2,59.5) ; J22.32 102.79,61.9 v5(102.92,61.77)
  TOP w0.203: J22.50 v5(102.87,58.3) ; J22.56 v5(102.87,57.1)
  TOP w0.254: JA1.D59 v6(19.78,69.06) ; v8(22.55,66.83) v8(22.11,66.83) ; v8(22.55,66.83) JA1.B55 ; v8(22.55,66.83) JA1.B56 ; v8(87.76,35.08) v8(88.2,35.08) ; v8(87.76,35.08) JA2.C5 ; v8(87.76,35.08) JA2.C6 ; U61.5 32.4,102 v5(32.78,102.38) ; U42.2 v5(4.36,11.69) ; JA2.A6 v8(90.3,35.08) JA2.A5 ; JA1.D51 v8(20.01,64.29) JA1.D52 ; MH5.1 v6(19.85,81.11) ; JA1.B52 v8(22.55,64.29) ; v8(22.55,64.29) v8(22.11,64.29) ; v8(22.55,64.29) JA1.B51 ; v8(87.76,32.54) v8(88.2,32.54) ; v8(87.76,32.54) JA2.C2 ; v8(87.76,32.54) JA2.C1 ; JA1.A53 v8(23.69,65.56) JA1.A54 ; C151.2 108,85.87 v5(108,86.91) C150.2 ; JA2.A10 v8(90.3,37.62) JA2.A9 ; SW2.1 6.07,39.49 v5(5.66,39.9) ; JA1.A50 v8(23.69,63.02) JA1.A49 ; JA1.A57 v8(23.69,68.1) JA1.A58 ; U61.11 v5(29.4,102.09) ; X8.4 v5(74.48,96.19) ; C167.2 105.71,85.64 105.96,85.9 v5(105.96,86.91) C161.2 ; C318.2 65.9,76.96 v5(66.35,76.51) ; MH7.1 19.83,27.14 v6(19.84,27.53) ; J6.16 v5(36.19,107.07) ; v5(110.03,85.77) 110.03,87.61 C149.2 ; JA1.D55 v8(20.01,66.83) JA1.D56 ; v8(21.15,68.1) JA1.C58 ; v8(21.15,68.1) v8(21.59,68.1) ; v8(21.15,68.1) JA1.C57 ; C87.2 v5(121.4,8.75) ; v2(30.4,90.98) 30.58,90.8 U28.1 ; MH6.1 90.48,80.79 v6(90.49,81.15) ; C480.2 124.25,86.09 v5(124.25,87.17) C471.2 ; MH10.1 v6(52.47,27.42) ; v9(105.71,79.54) 105.93,79.52 U36.49 ; JA2.B4 v8(89.16,33.81) ; v8(89.16,33.81) JA2.B3 ; v8(89.16,33.81) v8(88.72,33.81) ; v5(30.65,102.47) 30.9,102.22 U61.8 ; JA2.D4 v8(86.62,33.81) JA2.D3 ; C437.2 v5(29.89,28.8) ; C592.2 58.94,50.86 v5(58.94,49.43) ; JA2.C9 v8(87.76,37.62) ; v8(87.76,37.62) JA2.C10 ; v8(87.76,37.62) v8(88.2,37.62) ; J6.2 v5(29.19,107.07) ; JA1.D48 v8(20.01,61.75) JA1.D47 ; X7.4 v5(76.76,96.2) ; v7(133.14,11.41) 133.62,11.89 Q19.2 ; JA1.B48 v8(22.55,61.75) ; v8(22.55,61.75) v8(22.11,61.75) ; v8(22.55,61.75) JA1.B47 ; JA2.D7 v8(86.62,36.35) JA2.D8 ; C473.2 v5(121.71,87.17) 121.71,86.66 122.22,86.15 C472.2 ; C160.2 103.93,85.46 v5(103.93,86.91) C148.2 ; U61.2 v5(33.9,102.08) ; v8(21.15,63.02) JA1.C50 ; v8(21.15,63.02) v8(21.59,63.02) ; v8(21.15,63.02) JA1.C49 ; C404.2 v5(59.04,16.18) ; C591.2 v5(59.1,47.34) ; MH9.1 v6(52.49,81.05) ; MH8.1 v6(90.47,27.42) ; JA2.A2 v8(90.3,32.54) JA2.A1 ; v5(61.08,35.86) 61.9,35.04 C590.2 ; U28.2 30.71,90.4 v2(30.4,90.09) ; X6.4 v5(55.17,96.19) ; C518.2 68.48,90.6 v9(67.46,89.57) ; v8(21.15,65.56) JA1.C54 ; v8(21.15,65.56) v8(21.59,65.56) ; v8(21.15,65.56) JA1.C53 ; JA2.B8 v8(89.16,36.35) ; v8(89.16,36.35) v8(88.72,36.35) ; v8(89.16,36.35) JA2.B7 ; U28.3 31.4,89.18 v2(31.16,88.95) ; U41.3 v2(16.78,97.35) ; R349.2 v5(29.99,27.87) ; J6.8 v5(32.19,107.07) ; J6.5 v5(30.69,107.07) ; C405.2 v5(59.04,17.06) ; J6.11 v5(33.69,107.07) ; X5.4 v5(57.48,96.19) ; JA1.B59 v6(23.06,69.06) ; U82.4 v5(14.37,62.48)
  TOP w0.305: JA2.C25 v1(87.19,47.17) ; JA1.C8 v1(20.58,36.37) ; JA1.D9 v1(20.58,37.6) ; JA2.C45 v1(88.01,60.44) ; JA1.A14 v1(23.12,40.18) ; JA1.B39 v1(23.12,56.65) ; JA2.D38 v1(87.19,56.02) ; JA2.A57 v1(90.55,68.06) ; JA2.B51 v1(88.91,63.7) ; JA2.D35 v1(87.19,54.11) ; JA1.A33 v1(23.94,52.82) ; JA2.B55 v1(88.91,66.24) ; JA1.D39 v1(20.58,56.65) ; JA1.A21 v1(23.94,45.2) ; JA1.C41 v1(20.58,57.33) ; JA2.B14 v1(89.73,40.78) ; JA1.A18 v1(23.94,43.29) ; JA1.C17 v1(20.58,42.09) ; JA1.C21 v1(21.4,45.2) ; JA1.C25 v1(21.4,47.74) ; JA2.D43 v1(86.37,58.62) ; JA2.B38 v1(89.73,56.02) ; JA1.B35 v1(22.3,53.54) ; JA1.D12 v1(20.58,39.51) ; JA1.D19 v1(19.76,43.38) ; JA2.D26 v1(87.19,48.4) ; JA1.B6 v1(23.12,35.7) ; JA1.A45 v1(24.02,59.83) ; JA2.C40 v1(87.19,56.69) ; JA2.A19 v1(89.73,43.36) ; JA1.C29 v1(20.58,49.71) ; JA2.B11 v1(89.73,38.87) ; JA1.A41 v1(23.12,57.33) ; JA2.C19 v1(87.19,43.36) ; JA2.A53 v1(90.55,65.52) ; JA1.A5 v1(23.12,34.47) ; JA1.A11 v1(23.12,38.28) ; JA1.B19 v1(22.3,43.38) ; JA2.A28 v1(89.73,49.07) ; JA2.C57 v1(88.01,68.06) ; JA1.D23 v1(19.76,45.92) ; JA1.A37 v1(23.94,55.36) ; JA1.B3 v1(23.12,33.79) ; JA2.D17 v1(87.19,42.68) ; JA2.D51 v1(86.37,63.7) ; JA2.A40 v1(89.73,56.69) ; JA2.C16 v1(87.19,41.45) ; JA2.D14 v1(87.19,40.78) ; JA2.A45 v1(90.55,60.44) ; JA2.A16 v1(89.73,41.45) ; JA2.B47 v1(89.73,61.73) ; JA2.C43 v1(87.19,58.6) ; JA2.D20 v1(87.19,44.59) ; JA1.D35 v1(19.76,53.54) ; JA1.D3 v1(20.57,33.85) ; JA2.B41 v1(89.73,57.92) ; JA2.B23 v1(89.73,46.49) ; JA2.B26 v1(89.73,48.4) ; JA2.B43 v1(88.91,58.62) ; JA2.C28 v1(87.19,49.07) ; JA2.B29 v1(89.73,50.3) ; JA1.C5 v1(20.58,34.47) ; JA2.A43 v1(89.73,58.6) ; JA2.A31 v1(89.73,50.98) ; JA1.D6 v1(20.58,35.7) ; JA2.B20 v1(89.73,44.59) ; JA2.C37 v1(87.19,54.79) ; JA2.D41 v1(87.19,57.92) ; JA1.C11 v1(20.58,38.28) ; 127.85,4.45 128.79,4.45 129.71,3.53 J4.6 129.71,1.33 129.71,1.33 J4.7 J4.8 121.54,1.33 121.53,1.33 J4.9 121.53,3.38 122.6,4.45 123.4,4.45 ; JA2.D29 v1(87.19,50.3) ; JA2.C22 v1(87.19,45.26) ; JA2.B17 v1(89.73,42.68) ; JA2.A22 v1(89.73,45.26) ; JA2.B32 v1(89.73,52.21) ; JA1.D27 v1(20.58,49.03) ; JA1.A46 v1(24.18,60.8) ; JA2.A37 v1(89.73,54.79) ; JA1.B12 v1(23.12,39.51) ; JA2.D47 v1(87.19,61.73) ; JA2.D23 v1(87.19,46.49) ; JA2.A34 v1(89.73,52.88) ; JA2.A49 v1(89.73,62.41) ; JA1.A26 v1(23.12,47.8) ; JA1.D31 v1(19.76,51) ; JA1.B27 v1(23.12,49.03) ; JA1.C14 v1(20.58,40.18) ; JA1.C37 v1(21.4,55.36) ; JA2.C31 v1(87.19,50.98) ; JA2.C13 v1(87.19,39.55) ; JA1.C1 v1(20.63,32.23) ; JA2.A13 v1(89.73,39.55) ; JA2.C49 v1(87.19,62.41) ; JA1.C46 v1(21.4,60.53) ; JA2.B35 v1(89.73,54.11) ; JA1.A8 v1(23.12,36.37) ; JA1.B15 v1(23.12,41.41) ; JA1.C2 v1(20.63,32.84) ; JA2.C53 v1(88.01,65.52) ; JA2.C34 v1(87.19,52.88) ; JA1.B9 v1(23.12,37.6) ; JA1.A2 v1(23.12,32.56) ; JA2.D11 v1(87.19,38.87) ; JA2.A25 v1(89.73,47.17) ; JA1.B31 v1(22.3,51) ; JA2.D55 v1(86.37,66.24) ; JA2.D32 v1(87.19,52.21) ; JA1.D15 v1(20.58,41.41) ; JA1.B23 v1(22.3,45.92) ; JA1.C33 v1(21.4,52.82)